# Allegro board TDI_KU5P_QSFP28_CXP_V001-20240805_1841.brd (continued)
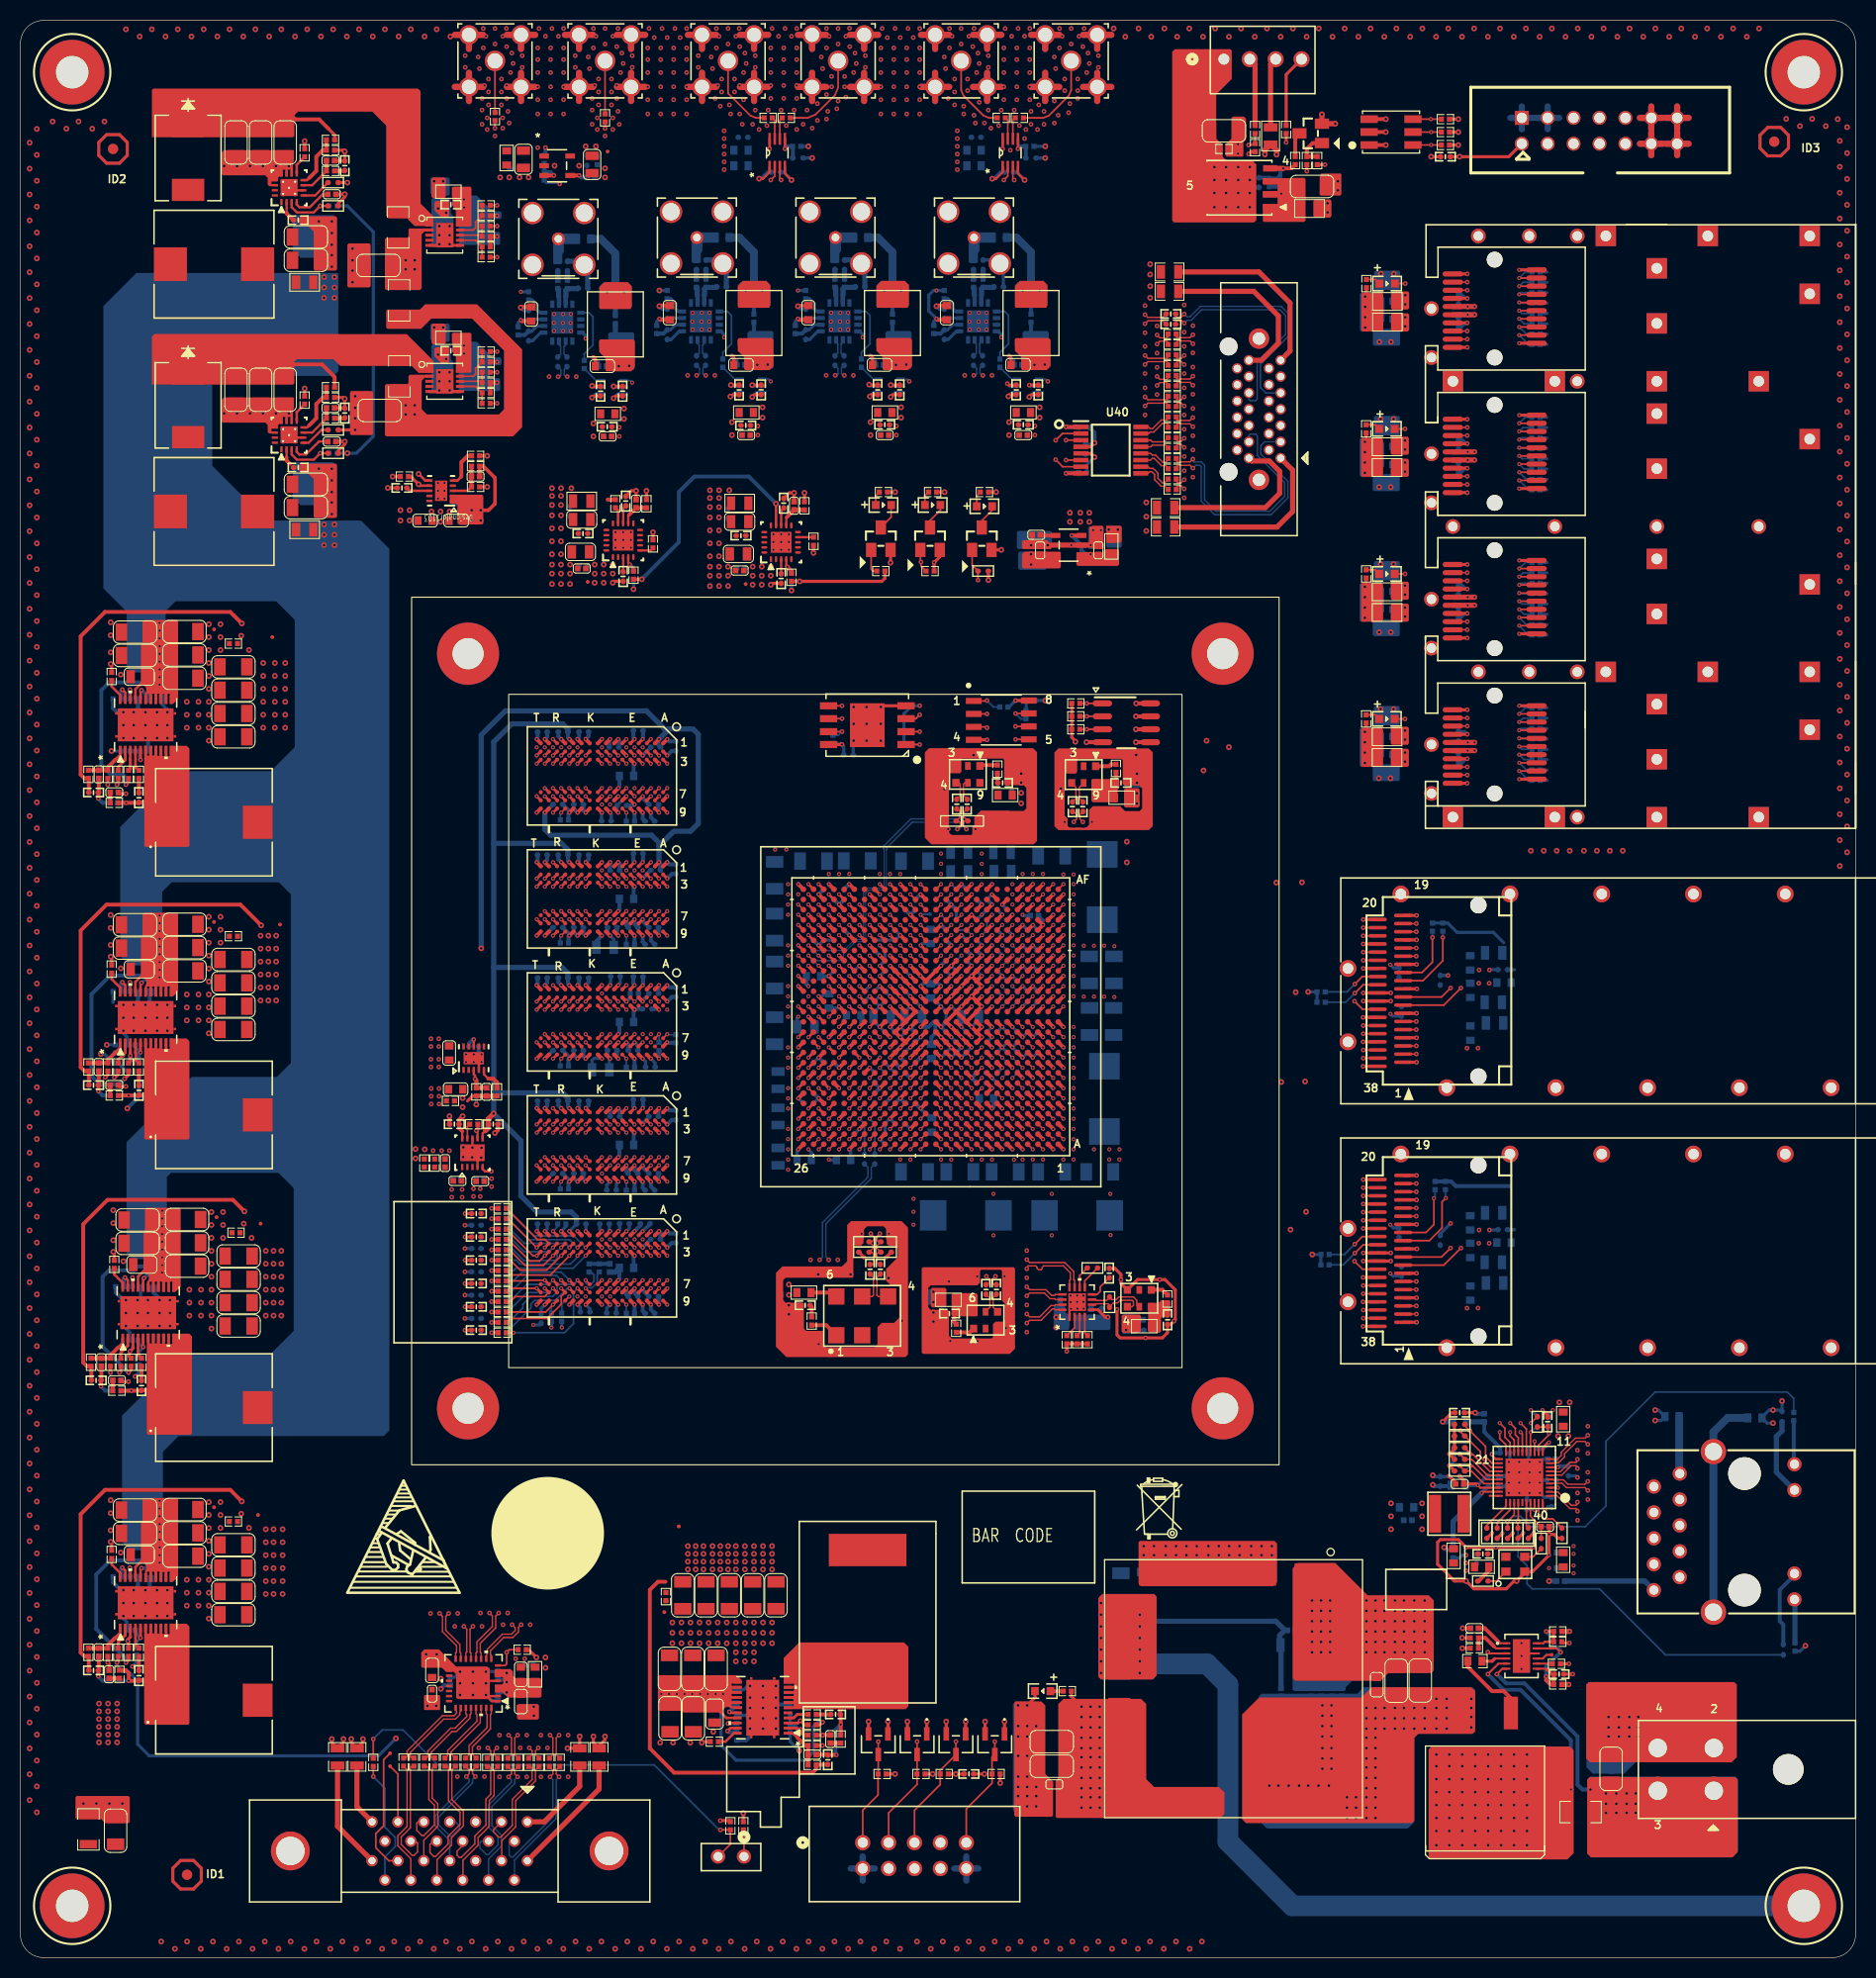
[diagram p0: board, top side]
## Copper pours and planes (outline as drawn; the poured copper is in the pictures) (continued)
N27389672 on TOP (solid shape): 12.42,90.13 12.42,89.24 12.47,89.19 12.59,89.19 12.64,89.24 12.64,90.13 12.67,90.15 12.92,90.15 12.92,89.25 12.97,89.2 13.1,89.2 13.15,89.25 13.15,90.15 13.4,90.15 13.43,90.13 13.43,89.22 13.48,89.16 13.59,89.16 13.64,89.22 13.64,90.15 13.9,90.15 13.93,90.13 13.93,89.19 13.98,89.14 14.1,89.14 14.15,89.19 14.15,90.13 14.17,90.15 14.41,90.15 14.42,90.13 14.42,89.18 14.48,89.13 14.6,89.13 14.65,89.18 14.65,90.15 16.32,90.15 16.32,90.14 16.58,89.89 16.58,80.37 16.45,80.24 12.27,80.24 12.14,80.37 12.14,90.15 12.39,90.15
N28522099 on TOP (solid shape): 107.79,115.49 107.79,114.73 107.61,114.55 107.61,113.41 107.51,113.31 105.2,113.31 105.04,113.46 105.04,115.49 105.15,115.6 107.69,115.6
N28523316 on BOTTOM (solid shape): 106.92,62.94 106.92,61.67 106.8,61.54 103.49,61.54 103.37,61.67 103.37,62.94 103.49,63.07 106.8,63.07
N28524865 on TOP (solid shape): 112.77,64.34 112.77,62.94 112.64,62.81 112,62.81 111.88,62.69 111.88,61.42 111.75,61.29 110.73,61.29 110.61,61.42 110.61,64.08 110.73,64.21 111.62,64.21 111.88,64.47 112.64,64.47
N28579172 on TOP (solid shape): 93.89,65.02 93.89,62.99 93.79,62.89 91.51,62.89 91.33,63.07 91.33,65.07 91.43,65.18 93.74,65.18
N28610168 on TOP (solid shape): 48.33,28.04 48.33,27.66 48.58,27.41 50.99,27.41 51.12,27.28 51.12,25.63 50.99,25.5 47.82,25.5 47.31,26.01 46.6,26.01 46.55,26.06 46.55,26.67 46.65,26.77 47.21,26.77 47.36,26.92 47.36,27.43 47.26,27.53 46.55,27.53 46.5,27.58 46.5,28.24 46.55,28.3 48.07,28.3
N28610168 on TOP: 39.36,27.79 42.28,27.79 42.36,27.71 42.36,26.09 42.28,26.01 39.39,26.01 39.28,26.11 39.28,27.71
N28610168 on BOTTOM: 49.09,27.15 49.09,23.09 48.45,22.45 40.33,22.45 39.44,23.34 39.44,27.79 39.56,27.91 41.47,27.91 41.6,27.79 41.6,27.03 41.65,26.97 42.41,26.97 42.46,26.92 42.46,25.02 42.99,24.49 47.16,24.49 47.39,24.71 47.39,28.12 47.44,28.17 48.07,28.17
N28714997 on TOP (solid shape): 12.42,32.72 12.42,31.83 12.47,31.78 12.59,31.78 12.64,31.83 12.64,32.73 12.67,32.75 12.92,32.75 12.92,31.85 12.97,31.8 13.1,31.8 13.15,31.85 13.15,32.75 13.4,32.75 13.43,32.72 13.43,31.81 13.48,31.76 13.59,31.76 13.64,31.81 13.64,32.75 13.9,32.75 13.93,32.72 13.93,31.78 13.98,31.73 14.1,31.73 14.15,31.78 14.15,32.72 14.17,32.75 14.41,32.75 14.42,32.73 14.42,31.78 14.48,31.73 14.6,31.73 14.65,31.78 14.65,32.75 16.32,32.75 16.32,32.74 16.58,32.49 16.58,22.96 16.45,22.83 12.27,22.83 12.14,22.96 12.14,32.75 12.39,32.75
N28715617 on TOP (solid shape): 12.67,61.17 12.67,60.28 12.72,60.23 12.85,60.23 12.9,60.28 12.9,61.17 12.92,61.2 13.18,61.2 13.18,60.3 13.23,60.24 13.35,60.24 13.4,60.3 13.4,61.2 13.66,61.2 13.68,61.17 13.68,60.26 13.73,60.21 13.85,60.21 13.9,60.26 13.9,61.2 14.16,61.2 14.18,61.17 14.18,60.23 14.23,60.18 14.35,60.18 14.4,60.23 14.4,61.17 14.43,61.2 14.66,61.2 14.68,61.18 14.68,60.23 14.73,60.18 14.85,60.18 14.9,60.23 14.9,61.2 16.58,61.2 16.58,61.19 16.83,60.93 16.83,51.41 16.7,51.28 12.52,51.28 12.4,51.41 12.4,61.2 12.65,61.2
N28719419 on TOP (solid shape): 107.76,138.02 107.76,136.63 107.64,136.5 103.7,136.5 103.57,136.63 103.57,137.79 103.62,137.85 106.19,137.85 106.49,138.15 107.64,138.15
N28727229 on TOP (solid shape): 12.42,118.83 12.42,117.94 12.47,117.89 12.59,117.89 12.64,117.94 12.64,118.83 12.67,118.85 12.92,118.85 12.92,117.95 12.97,117.9 13.1,117.9 13.15,117.95 13.15,118.85 13.4,118.85 13.43,118.83 13.43,117.92 13.48,117.87 13.59,117.87 13.64,117.92 13.64,118.85 13.9,118.85 13.93,118.83 13.93,117.89 13.98,117.84 14.1,117.84 14.15,117.89 14.15,118.83 14.17,118.85 14.41,118.85 14.42,118.84 14.42,117.88 14.48,117.83 14.6,117.83 14.65,117.88 14.65,118.85 16.32,118.85 16.32,118.85 16.58,118.59 16.58,109.07 16.45,108.94 12.27,108.94 12.14,109.07 12.14,118.85 12.39,118.85
N28729208 on TOP: 55.31,139.5 55.31,143.74 55.57,143.99 57.47,143.99 57.72,143.74 57.72,141.83 57.85,141.71 58.11,141.71 58.23,141.58 58.23,140.46 58.16,140.39 57.9,140.39 57.75,140.23 57.75,139.5 57.65,139.4 55.41,139.4
N28729642 on TOP: 70.81,139.29 70.81,143.54 71.06,143.79 73.62,143.79 73.73,143.69 73.73,140.26 73.65,140.18 73.4,140.18 73.24,140.03 73.24,139.29 73.14,139.19 70.91,139.19
N28744187 on TOP: 140.91,45.31 141.04,45.44 144.39,45.44 144.44,45.39 145.35,45.39 145.4,45.34 145.4,45.08 142.94,42.62 142.94,41.76 142.81,41.63 141.04,41.63 140.91,41.76
N28744413 on TOP: 146.24,39.85 146.24,38.96 146.12,38.84 144.97,38.84 144.72,38.58 144.72,37.69 144.59,37.57 143.7,37.57 143.58,37.69 143.58,39.85 143.7,39.98 146.12,39.98
N28890454 on BOTTOM: 94.05,178.92 96.46,178.92 96.59,178.79 96.59,176.63 95.19,175.23 94.05,175.23 93.92,175.36 93.92,178.79
N28894010 on BOTTOM: 71.19,178.92 73.6,178.92 73.73,178.79 73.73,176.63 72.33,175.23 71.19,175.23 71.06,175.36 71.06,178.79
N28914741 on TOP: 47.31,178.41 51.63,178.41 51.88,178.16 51.88,176.5 51.76,176.38 50.87,176.38 50.49,176.76 47.06,176.76 46.93,176.89 46.93,178.03
N28914741 on BOTTOM: 50.41,176.53 51.7,176.53 51.78,176.61 51.78,177.88 51.73,177.93 50.43,177.93 50.36,177.85 50.36,176.58
N28959284 on TOP: 21.33,170.33 21.88,170.89 26.71,170.89 27.07,170.54 27.07,169.95 27.27,169.75 27.27,165.46 27.5,165.23 27.5,163.42 27.37,163.3 21.53,163.3 21.33,163.5
N28960222 on TOP: 12.77,164.11 12.77,173.96 13.27,174.47 23.74,174.47 23.82,174.4 23.82,173.53 23.89,173.46 25.21,173.46 25.26,173.41 25.26,173.25 25.24,173.23 24.68,173.23 24.65,173.2 24.65,173 24.7,172.95 25.21,172.95 25.26,172.9 25.26,172.62 25.36,172.52 25.67,172.52 25.72,172.47 25.72,171.83 25.21,171.32 19.45,171.32 16.91,168.78 16.91,164.06 16.73,163.88 12.99,163.88
N28979761 on TOP: 21.33,146.08 21.96,146.71 26.76,146.71 27.07,146.41 27.07,145.69 27.27,145.49 27.27,141.2 27.5,140.97 27.5,139.17 27.37,139.04 21.53,139.04 21.33,139.24
N28979775 on TOP: 12.77,139.85 12.77,149.71 13.27,150.22 23.74,150.22 23.82,150.14 23.82,149.28 23.89,149.2 25.21,149.2 25.26,149.15 25.26,148.36 25.36,148.26 25.67,148.26 25.72,148.21 25.72,147.57 25.21,147.07 19.45,147.07 16.91,144.53 16.91,139.8 16.73,139.62 12.99,139.62
N28981922 on TOP (solid shape): 44.24,173.58 44.24,169.88 44.14,169.77 42.74,169.77 42.71,169.8 42.71,171.48 42.36,171.83 42.36,173.58 42.47,173.7 44.12,173.7
N28981922 on BOTTOM (solid shape): 46.29,171.28 47.06,171.28 47.18,171.16 47.18,170.65 47.06,170.52 46.29,170.52 46.04,170.27 46.04,169.38 46.17,169.25 46.93,169.25 47.06,169.12 47.06,168.11 46.93,167.98 43.12,167.98 42.99,168.11 42.99,171.04 42.48,171.55 42.48,172.69 42.61,172.82 44.75,172.82
N28983278 on TOP (solid shape): 44.24,159.25 44.24,155.54 44.14,155.44 42.74,155.44 42.71,155.46 42.71,157.14 42.36,157.5 42.36,159.25 42.47,159.36 44.12,159.36
N28983278 on BOTTOM (solid shape): 46.29,156.95 47.06,156.95 47.18,156.82 47.18,156.31 47.06,156.18 46.29,156.18 46.04,155.93 46.04,155.04 46.17,154.91 46.93,154.91 47.06,154.79 47.06,153.77 46.93,153.64 43.12,153.64 42.99,153.77 42.99,156.71 42.48,157.22 42.48,158.36 42.61,158.49 44.75,158.49
N28986231 on TOP (solid shape): 126.05,174.42 126.05,170.38 125.9,170.23 121.96,170.23 121.86,170.33 121.86,171.93 121.94,172.01 122.27,172.01 122.29,171.98 123.26,171.98 123.31,172.03 123.31,172.59 123.26,172.64 121.88,172.64 121.86,172.67 121.86,173.2 121.91,173.25 123.28,173.25 123.31,173.28 123.31,173.89 123.28,173.91 121.91,173.91 121.86,173.96 121.86,174.47 121.91,174.52 125.95,174.52

Small or netless copper shapes (teardrops, artwork), in the pictures only: 20 on TOP

## Text on the board
Ref Des/Silkscreen Bottom: ID6 | ID4 | ID5
User.Comments: CR_UNNAMED_32 | CR_UNNAMED_15 | CR_UNNAMED_1 | CR_UNNAMED_10 | CR_UNNAMED_4
Ref Des/Silkscreen Top: ID2 | ID1 | ID3
DIMENSION: HVLP
User.11: FIGURE | SIZE | 8.0 | 10.0 | 28.0 | 30.0 | 35.0 | 35.4 | 37.4 | 39.0 | 40.0 | 41.0 | 41.3 | 42.0 | 48.0 | 55.0 | 59.0 | 66.9 | 67.0 | 71.0 | 110.0 | 118.0 | 120.0 | 125.0 | 61.0 | 63.0 | 69.0 | 126.0 | DRILL CHART: TOP to BOTTOM | ALL UNITS ARE IN MILS | TOLERANCE | +3.0/-3.0 | +2.0/-2.0 | PLATED | NON-PLATED | QTY | 2403 | 1202 | 52 | 4 | 2 | 14 | 20 | 10 | 24 | 26 | 6 | 16 | 1 | 8
User.12: NOTES: | - DRILL SIZES LISTED IN LEGEND | ARE CONSIDERED FINISHED. | - VENDOR IS REQUIRED TO SELECT | TOOLING FOR OVERDRILLING. | - LEGEND DOES NOT SPECIFY DEPTH | INTO ADJACENT DIELECTRIC LAYER. | FIGURE | SIZE | 8.0 | BACKDRILL: BOTTOM to GND11 | ALL UNITS ARE IN MILS | TOLERANCE | +3.0/-3.0 | PLATED | QTY | 48
User.13: NOTES: | - DRILL SIZES LISTED IN LEGEND | ARE CONSIDERED FINISHED. | - VENDOR IS REQUIRED TO SELECT | TOOLING FOR OVERDRILLING. | - LEGEND DOES NOT SPECIFY DEPTH | INTO ADJACENT DIELECTRIC LAYER. | FIGURE | SIZE | 8.0 | BACKDRILL: BOTTOM to GND13 | ALL UNITS ARE IN MILS | TOLERANCE | +3.0/-3.0 | PLATED | QTY | 56
User.15: NOTES: | - DRILL SIZES LISTED IN LEGEND | ARE CONSIDERED FINISHED. | - VENDOR IS REQUIRED TO SELECT | TOOLING FOR OVERDRILLING. | - LEGEND DOES NOT SPECIFY DEPTH | INTO ADJACENT DIELECTRIC LAYER. | FIGURE | SIZE | 8.0 | BACKDRILL: TOP to GND11 | ALL UNITS ARE IN MILS | TOLERANCE | +3.0/-3.0 | PLATED | QTY | 8
